# KiCad board AFS-K5171.kicad_pcb (continued)
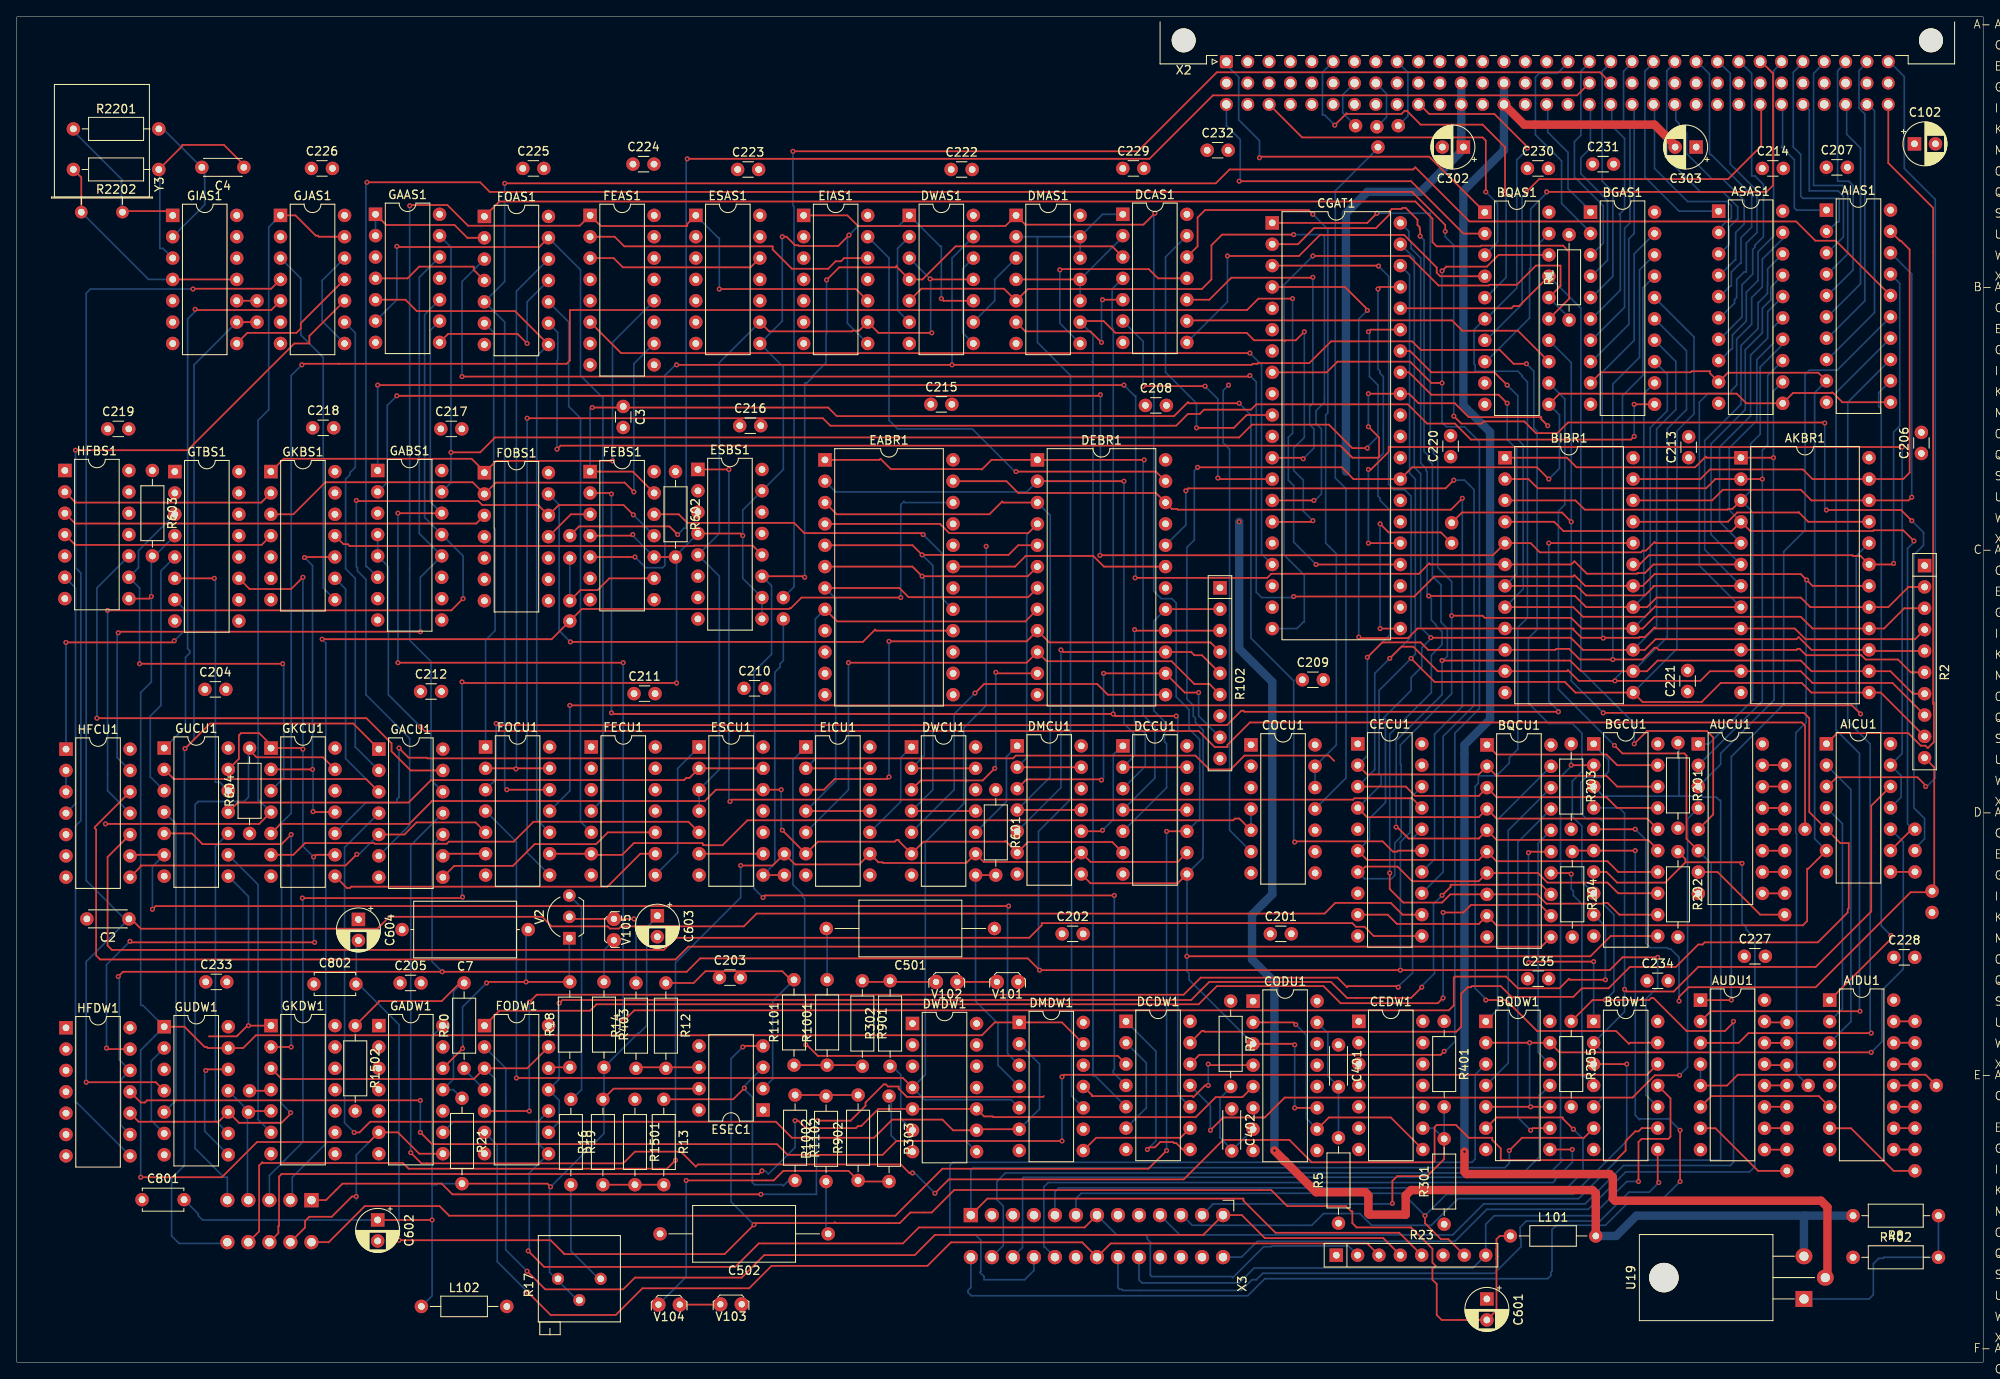
[diagram p0: board, top side]
## Routing (per net, layer and track width the routed paths; a pad name or vN(x,y) marks a point on that pad's centre or on a via; arc(x,y) is an arc through that point) (continued)
Net-(GIAS1-Pad11): length 27.5
  Top w0.2: R2202.2 7.67,140.95 Y3.2 ; GIAS1.4 GIAS1.11
  Bottom w0.2: GIAS1.4 15.67,128.81 7.55,136.94
Net-(GJAS1-Pad3): length 43.3
  Bottom w0.2: GKBS1.8 36.45,92.11 36.45,119.54 33.78,122.2 33.78,128.94 GJAS1.3
Net-(GJAS1-Pad5): length 64.6
  Top w0.2: GJAS1.5 30.27,125.17 21.29,125.17 v1(21.21,125.25)
  Bottom w0.2: v1(21.21,125.25) 21.21,125 20.32,124.11 20.32,84.87 20.57,84.61 20.57,84.36 20.07,83.85 20.07,75.6 17.54,73.07 GUCU1.1
Net-(GJAS1-Pad10): length 127.3
  Top w0.2: GJAS1.10 34.8,122.08 34.8,121.19 33.02,121.19 20.32,108.49 v1(6.98,108.49)
  Bottom w0.2: 7.11,108.62 v1(6.98,108.49) 6.98,94.52 7.62,93.88 7.62,64.42 6.98,63.78 6.98,30.89 7.13,30.89 HFDW1.8
Net-(GJAS1-Pad12): length 12.4
  Bottom w0.2: GJAS1.12 36.32,128.68 36.32,123.86 GJAS1.8
Net-(GKBS1-Pad10): length 42.1
  Top w0.2: 35.18,65.56 v1(35.24,65.5) 35.3,65.44 GKCU1.11 ; GKBS1.10 34.29,95.79 v1(34.23,95.72) ; v1(35.18,70.52) 35.17,70.52 GKCU1.2
  Bottom w0.2: v1(35.24,65.5) 35.24,70.45 v1(35.18,70.52) 35.18,94.77 v1(34.23,95.72) 34.16,95.79
Net-(GKDW1-Pad1): length 26.8
  Top w0.2: GKDW1.1 27.56,40.04 v1(27.56,40.04) 27.43,40.04 26.16,38.77 22.86,38.77
  Bottom w0.2: 27.56,39.91 v1(27.56,40.04) 27.56,55.4 27.05,55.91 27.05,55.93 GUCU1.8
Net-(GKDW1-Pad2): length 43.8
  Top w0.2: v1(32.64,62.77) 31.5,61.63 22.1,61.63 20.82,62.9 GUCU1.5 ; v1(32.64,37.5) 32.63,37.5 GKDW1.2
  Bottom w0.2: v1(32.64,37.5) v1(32.64,62.77)
Net-(GKDW1-Pad6): length 35.1
  Bottom w0.2: GUCU1.9 28.7,56.81 28.7,28.87 GKDW1.6
Net-(GTBS1-1): length 53.7
  Top w0.2: v1(31.62,83.09) v1(14.61,83.09) 14.48,83.22
  Bottom w0.2: v1(14.61,83.09) 14.61,92.11 HFBS1.9 14.48,94.52 14.48,96.55 GTBS1.3 ; 31.5,83.22 v1(31.62,83.09) 31.75,82.96 31.75,69.49 GKCU1.3
Net-(GTBS1-3): length 31
  Top w0.2: v1(23.5,93.25) GTBS1.6
  Bottom w0.2: GUCU1.12 24.14,68.99 23.62,68.99 23.62,93.12 v1(23.5,93.25)
Net-(GTBS1-4): length 31.6
  Top w0.2: v1(18.73,85.82) 18.54,85.63 v1(5.84,85.63)
  Bottom w0.2: 18.67,85.76 v1(18.73,85.82) 19.9,86.98 19.9,89.61 GTBS1.7 ; v1(5.84,85.63) 5.85,85.62 HFCU1.1
Net-(GTBS1-T1): length 29.7
  Bottom w0.2: GUCU1.3 15.88,69.64 15.88,76.87 17.14,78.14 17.14,94.14 GTBS1.5
Net-(GUCU1-Pad4): length 36.8
  Bottom w0.2: GUCU1.4 18.92,64.05 18.92,31.14 GUDW1.5
Net-(GUCU1-Pad10): length 37
  Bottom w0.2: GUCU1.10 23.62,61.37 23.62,28.75 GUDW1.9
Net-(GUDW1-Pad2): length 11.4
  Bottom w0.2: GUDW1.6 16,28.75 16,35.84 GUDW1.2
Net-(GUDW1-Pad12): length 14
  Top w0.2: 25.16,34.83 22.61,34.83 v1(22.48,34.7)
  Bottom w0.2: 25.16,24.67 22.35,27.48 22.35,34.57 v1(22.48,34.7)
Net-(HFBS1-4): length 65.2
  Top w0.2: v1(9.53,76.61) 41.59,76.61 44.58,73.62 44.58,72.67 46.86,70.39 GACU1.13
  Bottom w0.2: v1(9.53,76.61) 9.53,92.11 HFBS1.10
Net-(HFBS1-A1): length 25.5
  Top w0.2: GKBS1.2 29.08,102.27 6.98,102.27 HFBS1.2
Net-(HFBS1-A2): length 50.8
  Top w0.2: FOBS1.3 54.65,99.77 6.94,99.77 HFBS1.3
Net-(HFBS1-A3): length 25.5
  Top w0.2: HFBS1.4 6.94,97.23 29.13,97.23 GKBS1.4
Net-(HFBS1-V): length 29.1
  Bottom w0.2: HFBS1.6 6.98,92.11 6.98,66.45 HFCU1.4
Net-(HFCU1-Pad2): length 2.5
  Bottom w0.2: HFCU1.2 HFCU1.3
Net-(R13-Pad2): length 7.6
  Top w0.2: 76.96,21.37 76.71,21.11 69.47,21.11
Net-(R17-Pad3): length 13.3
  Bottom w0.2: 69.72,9.43 65.91,13.24 R19.2
Net-(R1001-Pad1): length 8.4
  Top w0.2: 99.95,35.21 100.08,35.34 ; R1101.1 100.46,35.34 R901.2
Net-(R1002-Pad2): length 7.5
  Top w0.2: R1102.1 R902.2
Net-(U19-ADJ): length 25.2
  Bottom w0.2: U19.1 220.34,7.52 220.85,8.03 220.85,11.71 221.49,12.35 222,12.35 222.12,12.48 R402.2 R8.1
Net-(V2-E): length 25.5
  Bottom w0.2: 65.91,31.15 67.18,32.42 67.18,54.06 V2.3
Net-(V101-A): length 4.7
  Top w0.2: V102.1 V101.2
Net-(V102-A): length 8.8
  Top w0.2: R901.1 100.71,45.24 V102.2
Net-(V103-A): length 4.8
  Top w0.2: V104.1 83.66,6.85 V103.2
Net-(V104-A): length 41.3
  Top w0.2: v1(79.63,21.62) 90.04,21.62 91.19,22.76 98.93,22.76 R902.1 100.2,21.49 R303.2
  Bottom w0.2: V104.2 79.63,10.15 v1(79.63,21.62)
Net-(V105-A): length 5.4
  Bottom w0.2: R403.1 69.85,49.01 V105.2
Net-(V105-K): length 15.5
  Top w0.2: 65.86,52.6 65.99,52.74 V105.1 v1(73.41,52.74) 73.53,52.86
  Bottom w0.2: R14.2 73.66,52.48 v1(73.41,52.74)
Net-(X10-3-Pin_1): length 2.9
  Top w0.2: AICU1.8 225.8,58.33 X10-3.1
Net-(X10-8-Pin_1): length 82.8
  Bottom w0.2: 161.93,144.43 156.85,139.35 156.85,105.19 158.12,103.92 158.12,69.49 COCU1.11
Net-(X10-11-Pin_1): length 34
  Top w0.2: ESCU1.8 91.31,57.95 X10-13.1
  Bottom w0.2: ESCU1.8 90.17,59.33 90.17,82.07 90.8,82.71 90.8,83.09 91.19,83.47 X10-11.1
Net-(X10-15-Pin_1): length 16.2
  Top w0.2: X10-16.1 67.06,91.85 69.09,91.85 70.48,93.25 FEBS1.9
  Bottom w0.2: X10-15.1 X10-16.1
Net-(X10-18-Pin_1): length 2.4
  Top w0.2: X10-18.1 GIAS1.10
Net-(X10-19-Pin_1): length 147
  Top w0.2: v1(20,72.99) 22.99,75.98 40.02,75.98 GACU1.1 ; X10-19.1 GIAS1.9
  Bottom w0.2: GIAS1.9 21.08,118.65 21.08,74.07 v1(20,72.99) 19.94,72.93 19.94,23.4 18.42,21.87 18.42,15.02 19.3,14.13 25.15,14.13
Net-(X10-20-Pin_1): length 2.6
  Top w0.2: X10-20.1 30.1,32.29 GKDW1.4

## Copper pours and planes (outline as drawn; the poured copper is in the pictures)
+5V on In1.Cu: 1.14,158.78 232.41,158.65 232.54,1.3 1.14,1.3
B on In2.Cu: 1.02,1.68 232.54,1.17 232.54,158.78 1.27,158.78

## Text on the board
F.Silkscreen: K | I | G | E | C | H | A | X | W | U | S | Q | O | M | F | D | B | A- | B- | C- | D- | E- | F-
